# Altium PCB Module Board - OLD.PcbDoc (part 4 of 4)
Units mm, origin at the board's own origin, x right, y up, seen from the top; angles counter-clockwise.
Board outline 88 x 88 mm, 4 copper layers (Top Layer, GND1-Layer, GND2-Layer, Bottom Layer), stack 1.57 mm thick; 408 components, 212 nets, 1020 pads, 603 vias.
Unrouted connection lines stored in the file: 3.
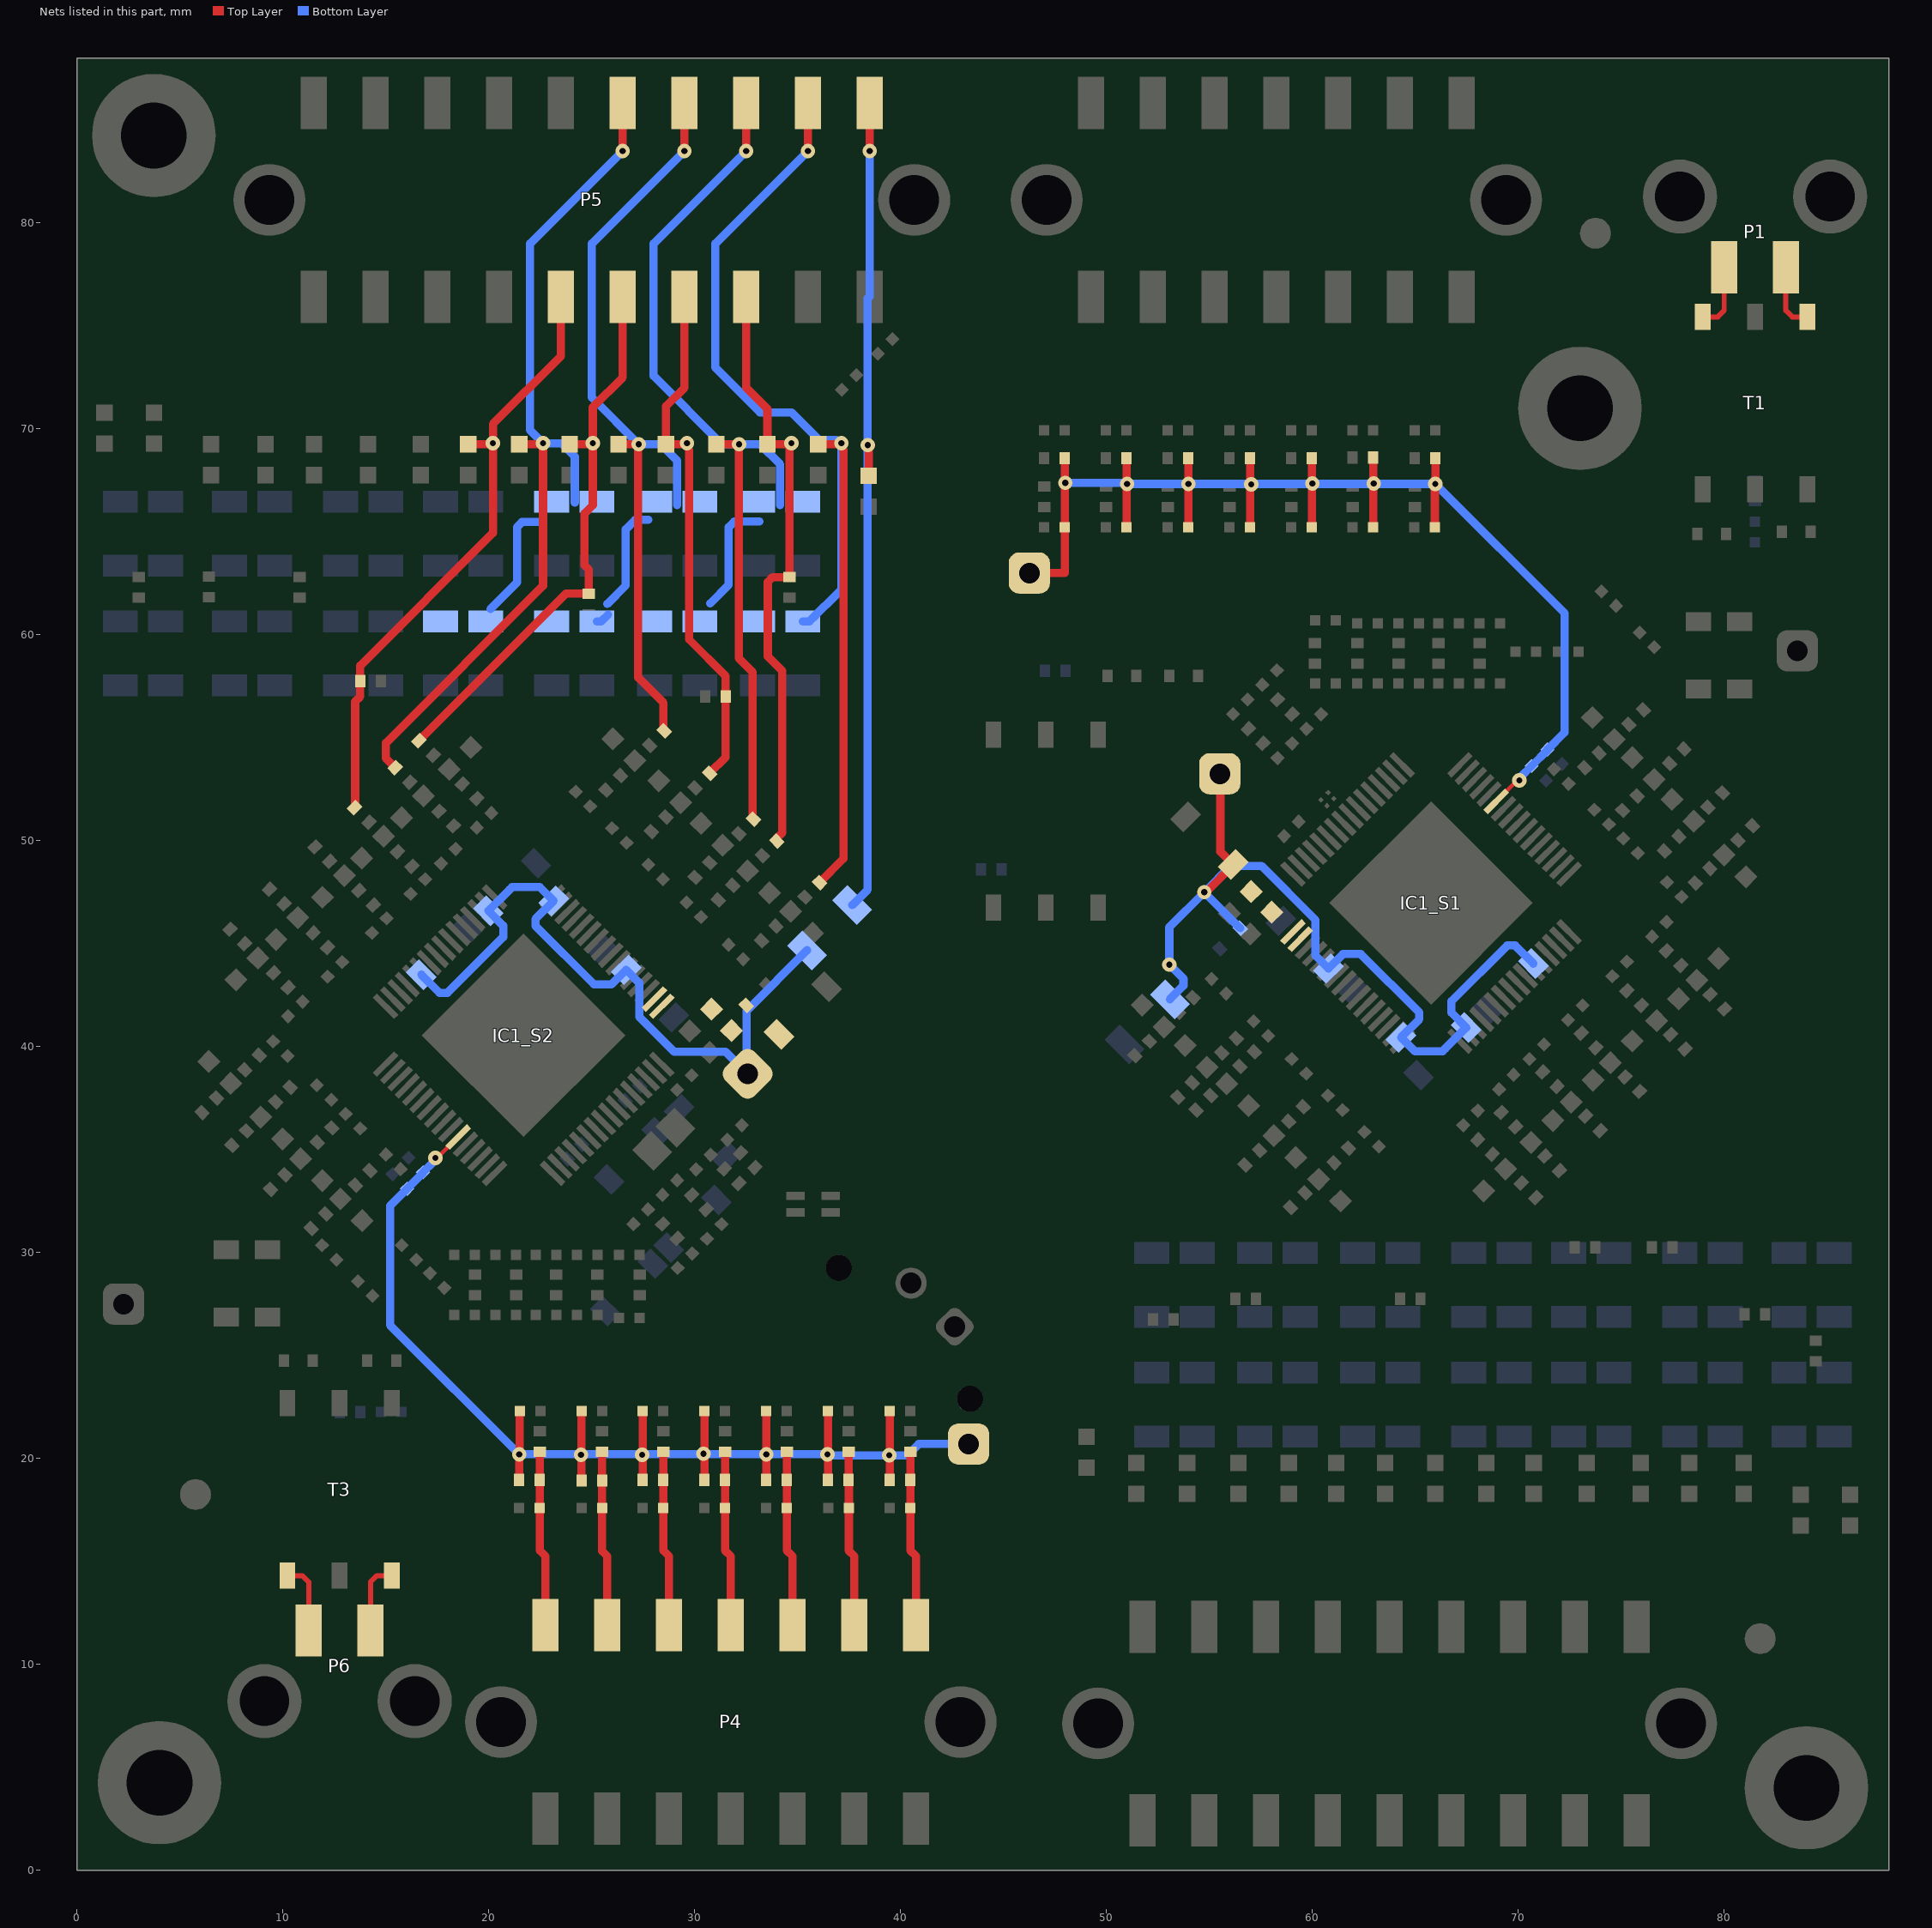
[diagram p6: the nets of this part, all layers, seen from the top]

## Via types
v1: diameter 0.7, hole 0.3, Top Layer to Bottom Layer, 603 vias

## Nets (pads, with @x,y where several pads share a name; then routed paths per layer and width w, separated by ;. In a path a pad name is that pad's centre, name@x,y a point inside that pad or via, vN(x,y) a via of type N, cw(c..) or ccw(c..) an arc to the next point about the centre after c; other vN are vias at no path point) (continued)
S2_CELL7: C43_S2.2 P5.15 R32_S2.2 R41_S2.2 | length 30.2
  Top Layer w0.4: R41_S2.2@13.471,51.604 13.507,51.639 13.507,56.757 13.75,57 13.75,58.5 20.2,64.95 v1(20.2,69.3) ; C43_S2.2@19,69.25 20.15,69.25 v1(20.2,69.3) ; P5.15@23.5,76.42 23.5,73.535 20.2,70.235 v1(20.2,69.3)
S2_CELL8: C37_S2.2 P5.6 R35_S2.2 R45_S2.1 R51_S2.1 R54_S2.1 R61_S2.1 | length 48.7
  Top Layer w0.4: R35_S2.2@15.45,53.55 15,54 15,54.75 22.632,62.382 v1(22.632,69.3) 22.582,69.25 C37_S2.2@21.475,69.25 ; v1(26.5,83.5) P5.6@26.5,85.82
  Bottom Layer w0.4: 20.075,61.25 21.375,62.55 21.375,65.241 21.609,65.475 22.45,65.475 ; 24.175,66.425 24.175,68.65 23.525,69.3 v1(22.632,69.3) 22.632,69.302 22,69.934 22,79 v1(26.5,83.5)
S2_CELL9: C33_S2.2 P5.16 R23_S2.2 R30_S2.2 | length 27.3
  Top Layer w0.4: R30_S2.2@16.596,54.854 23.743,62 R23_S2.2@24.85,62 24.85,63.173 24.65,63.373 24.65,65.895 25.05,66.295 v1@25.05,68.966 ; C33_S2.2@23.925,69.25 25,69.25 v1(25.05,69.3) 25.05,71.05 26.5,72.5 P5.16@26.5,76.42
S2_CELL10: C27_S2.2 P5.7 R24_S2.2 R29_S2.1 R34_S2.1 R39_S2.1 R43_S2.1 | length 45.2
  Top Layer w0.4: C27_S2.2@26.3,69.25 v1(27.275,69.25) 27.25,69.225 27.25,57.925 28.48,56.695 28.48,55.371 R24_S2.2@28.515,55.336 ; v1(29.5,83.5) P5.7@29.5,85.82
  Bottom Layer w0.4: R39_S2.1@25.25,60.652 25.463,60.652 R39_S2.1@25.788,60.977 ; 25.75,61.5 26.65,62.4 26.65,65.125 27.113,65.588 27.75,65.588 ; v1@27.2,69.25 v1(27.275,69.25) ; 29.15,66.305 29.15,68.45 28.35,69.25 v1(27.275,69.25) ; v1(29.5,83.5) 25,79 25,71.525 v1(27.275,69.25)
S2_CELL11: C22_S2.2 P5.17 R15_S2.2 R19_S2.2 | length 25.7
  Top Layer w0.4: P5.17@29.5,76.42 29.5,72 28.6,71.1 C22_S2.2@28.6,69.25 29.575,69.25 v1(29.625,69.3) 29.682,69.243 29.682,69.03 29.725,68.988 29.725,59.775 31.5,58 R15_S2.2@31.5,57 31.5,54.05 R19_S2.2@30.725,53.275
S2_CELL12: C14_S2.2 P5.8 R12_S2.1 R13_S2.2 R18_S2.1 R21_S2.1 R26_S2.1 | length 50.3
  Top Layer w0.4: C14_S2.2@31.05,69.25 v1(32.15,69.25) 32.15,58.85 32.815,58.185 32.815,51.085 R13_S2.2@32.85,51.05 ; v1(32.5,83.5) 32.5,84.55 P5.8@32.5,85.82
  Bottom Layer w0.4: 30.75,61.525 31.65,62.425 31.65,65.225 31.925,65.5 33.15,65.5 ; v1(32.5,83.5) 28,79 28,72.575 31.325,69.25 v1(32.15,69.25) 33.181,69.25 34.15,68.281 34.15,66.305
S2_CELL13: C8_S2.2 P5.18 R7_S2.2 R8_S2.2 | length 29.5
  Top Layer w0.4: P5.18@32.5,76.42 32.5,75.15 32.5,72 33.531,70.969 C8_S2.2@33.531,69.25 34.65,69.25 v1(34.7,69.3) 34.7,69.219 34.6,69.119 R7_S2.2@34.6,62.8 33.784,62.8 33.55,62.566 33.55,58.95 34.25,58.25 34.25,50.389 33.952,50.091 33.988,50.056 R8_S2.2@33.988,49.985
S2_CELL14: C2_S2.2 P5.9 R2_S2.2 R4_S2.1 R10_S2.1 | length 55.5
  Top Layer w0.4: v1(35.5,83.5) 35.5,84.55 P5.9@35.5,85.82 ; C2_S2.2@36,69.25 37.075,69.25 v1(37.125,69.3) 37.182,69.243 37.182,69.03 37.225,68.988 37.225,49.127 R2_S2.2@36.067,47.97
  Bottom Layer w0.4: v1(35.5,83.5) 31,79 31,72.975 33.175,70.8 34.695,70.8 36.045,69.45 v1@36.894,69.45 ; R4_S2.1@35.9,60.977 R4_S2.1@35.575,60.652 ; v1(37.125,69.3) 37.125,62.202 R4_S2.1@35.575,60.652 ; R4_S2.1@35.575,60.652 R4_S2.1@35.25,60.652 R4_S2.1@35.575,60.652
S2_NTC0: C5_S2.2 P4.14 R1_S2.2 R5_S2.2 | length 7.4
  Top Layer w0.4: R5_S2.2@22.475,20.325 22.475,19.25 R1_S2.2@22.475,18.95 C5_S2.2@22.475,17.6 22.475,15.525 22.75,15.25 P4.14@22.75,13.08
S2_NTC1: C17_S2.2 P4.13 R11_S2.2 R16_S2.2 | length 7.3
  Top Layer w0.4: R16_S2.2@25.5,20.325 R11_S2.2@25.5,18.925 C17_S2.2@25.5,17.6 25.5,16.46 25.5,15.5 25.75,15.25 P4.13@25.75,13.08
S2_NTC2: C30_S2.2 P4.12 R22_S2.2 R27_S2.2 | length 7.4
  Top Layer w0.4: R27_S2.2@28.475,20.325 28.475,20.075 R22_S2.2@28.475,18.95 C30_S2.2@28.475,17.6 28.475,15.525 28.75,15.25 P4.12@28.75,13.08
S2_NTC3: C40_S2.2 P4.11 R33_S2.2 R37_S2.2 | length 7.4
  Top Layer w0.4: R37_S2.2@31.475,20.325 R33_S2.2@31.475,18.95 31.475,18.65 C40_S2.2@31.475,17.6 31.475,15.525 31.75,15.25 P4.11@31.75,13.08
S2_NTC4: C50_S2.2 P4.10 R44_S2.2 R49_S2.2 | length 7.4
  Top Layer w0.4: R49_S2.2@34.475,20.325 R44_S2.2@34.475,18.95 34.475,18.65 C50_S2.2@34.475,17.6 34.475,15.525 34.75,15.25 P4.10@34.75,13.08
S2_NTC5: C60_S2.2 P4.9 R55_S2.2 R59_S2.2 | length 7.4
  Top Layer w0.4: R59_S2.2@37.475,20.325 37.475,19.25 R55_S2.2@37.475,18.95 37.475,18.65 37.488,18.637 C60_S2.2@37.488,17.6 37.488,15.512 37.75,15.25 P4.9@37.75,13.08
S2_NTC6: C70_S2.2 P4.8 R64_S2.2 R67_S2.2 | length 7.4
  Top Layer w0.4: R67_S2.2@40.475,20.325 R64_S2.2@40.475,18.95 40.475,18.65 40.475,15.525 40.75,15.25 P4.8@40.75,13.08
S2_VBAT: C78_S2.2 P5.10 R93_S2.1 | length 40.7
  Top Layer w0.4: v1@38.35,69.159 v1(38.4,69.209) 38.45,69.159 C78_S2.2@38.45,67.725 ; v1(38.5,83.5) 38.5,84.55 P5.10@38.5,85.82
  Bottom Layer w0.4: R93_S2.1@37.647,46.872 38.4,47.625 38.4,76.333 ; 38.5,76.433 v1(38.5,83.5)
TPL_IN_N: P1.2 T1.1 | length 3.3
  Top Layer w0.247: P1.2@83,77.855 83,75.75 83.31,75.44 T1.1@84.04,75.44
TPL_IN_P: P1.1 T1.3 | length 3.3
  Top Layer w0.247: T1.3@78.96,75.44 79.69,75.44 80,75.75 P1.1@80,77.855
TPL_OUT_N: P6.2 T3.1 | length 3.5
  Top Layer w0.247: T3.1@10.21,14.31 10.94,14.31 11.25,14 P6.2@11.25,11.645
TPL_OUT_P: P6.1 T3.3 | length 3.5
  Top Layer w0.247: P6.1@14.25,11.645 14.25,14 14.56,14.31 T3.3@15.29,14.31
VCOM_S1: C1_S1.2 C11_S1.2 C20_S1.2 C21_S1.2 C26_S1.2 C36_S1.2 C46_S1.2 C56_S1.2 C66_S1.2 IC1_S1.43 R1_S1.1 R11_S1.1 R22_S1.1 R33_S1.1 R44_S1.1 R55_S1.1 R64_S1.1 TP3_S1.1 | length 65
  Top Layer w0.2: IC1_S1.43@68.936,51.913 69.947,52.925 v1(70.05,52.925)
  Top Layer w0.4: TP3_S1.1@46.25,63 47.975,63 C66_S1.2@47.975,65.225 47.975,67.35 v1(48,67.375) 47.975,67.4 R64_S1.1@47.975,68.575 ; C56_S1.2@50.975,65.225 50.975,67.3 v1(51,67.325) 50.975,67.35 R55_S1.1@50.975,68.575 ; C46_S1.2@53.975,65.225 v1(53.975,67.325) R44_S1.1@53.975,68.575 ; C36_S1.2@56.975,65.225 56.975,67.25 v1(57.025,67.3) 56.975,67.35 R33_S1.1@56.975,68.575 ; C26_S1.2@59.975,65.225 59.975,67.325 v1(60,67.35) 59.975,67.375 R22_S1.1@59.975,68.575 ; C11_S1.2@62.95,65.225 62.95,67.325 v1(62.975,67.35) 62.95,67.375 R11_S1.1@62.95,68.6 ; C1_S1.2@65.95,65.225 65.95,67.3 v1(65.975,67.325) R1_S1.1@65.975,68.575
  Bottom Layer w0.4: v1(48,67.375) 50.95,67.375 v1(51,67.325) v1(53.975,67.325) 57,67.325 v1(57.025,67.3) 57.05,67.325 v1(65.975,67.325) 72.25,61.05 72.25,55.257 C20_S1.2@71.421,54.429 ; v1(70.05,52.925) 70.107,52.982 70.107,53.09 C21_S1.2@70.646,53.629 C20_S1.2@71.421,54.404
VCOM_S2: C1_S2.2 C11_S2.2 C20_S2.2 C21_S2.2 C26_S2.2 C36_S2.2 C46_S2.2 C56_S2.2 C66_S2.2 IC1_S2.43 R1_S2.1 R11_S2.1 R22_S2.1 R33_S2.1 R44_S2.1 R55_S2.1 R64_S2.1 TP3_S2.1 | length 65.1
  Top Layer w0.2: v1(17.4,34.6) 17.503,34.6 IC1_S2.43@18.514,35.612
  Top Layer w0.4: R1_S2.1@21.475,18.95 v1(21.475,20.2) ; v1(21.475,20.2) 21.5,20.225 C1_S2.2@21.5,22.3 ; R11_S2.1@24.5,18.925 24.5,20.15 v1(24.475,20.175) 24.5,20.2 C11_S2.2@24.5,22.3 ; R22_S2.1@27.475,18.95 27.475,20.15 v1(27.45,20.175) 27.475,20.2 C26_S2.2@27.475,22.3 ; R33_S2.1@30.475,18.95 30.475,20.175 v1(30.425,20.225) 30.475,20.275 C36_S2.2@30.475,22.3 ; R44_S2.1@33.475,18.95 v1(33.475,20.2) C46_S2.2@33.475,22.3 ; R55_S2.1@36.475,18.95 36.475,20.175 v1(36.45,20.2) 36.475,20.225 C56_S2.2@36.475,22.3 ; R64_S2.1@39.475,18.95 39.475,20.125 v1(39.45,20.15) 39.475,20.175 C66_S2.2@39.475,22.3
  Bottom Layer w0.4: C21_S2.2@16.803,33.871 15.2,32.268 15.2,26.475 v1(21.475,20.2) 30.4,20.2 v1(30.425,20.225) 30.45,20.2 v1(36.45,20.2) 36.5,20.15 40.325,20.15 40.875,20.7 TP3_S2.1@43.3,20.7 ; C21_S2.2@16.803,33.896 17.343,34.435 17.343,34.543 v1(17.4,34.6)
VPWR_S1: C12_S1.2 C13_S1.2 D1_S1.1 D2_S1.1 D3_S1.2 D4_S1.1 D5_S1.1 D6_S1.1 IC1_S1.1 IC1_S1.2 R93_S1.2 TP2_S1.1 | length 43.7
  Top Layer w0.4: v1(54.75,47.5) 54.831,47.5 56.156,48.825 D2_S1.1@56.156,48.844 55.53,49.47 55.53,53.22 TP2_S1.1@55.5,53.25
  Bottom Layer w0.4: R93_S1.2@53.077,42.301 53.74,42.963 53.74,43.295 v1(53.05,43.984) 53.05,45.8 v1(54.75,47.5) ; D3_S1.2@56.495,45.745 56.495,45.75 54.75,47.495 v1(54.75,47.5) ; D4_S1.1@70.731,44.031 69.85,44.912 69.462,44.912 66.75,42.2 66.75,41.65 D5_S1.1@67.475,40.925 66.45,39.9 66.325,39.775 64.975,39.775 D1_S1.1@64.306,40.444 65.19,41.328 65.19,41.66 62.35,44.5 61.487,44.5 D6_S1.1@60.781,43.794 60.144,44.431 60.144,46.156 57.525,48.775 56.025,48.775 v1(54.75,47.5)
VPWR_S2: C12_S2.2 C13_S2.2 D1_S2.1 D2_S2.1 D3_S2.2 D4_S2.1 D5_S2.1 D6_S2.1 IC1_S2.1 IC1_S2.2 R93_S2.2 TP2_S2.1 | length 34.4
  Bottom Layer w0.4: D4_S2.1@16.719,43.494 17.6,42.613 17.988,42.613 20.7,45.325 20.7,45.875 D5_S2.1@19.975,46.6 21,47.625 21.125,47.75 22.475,47.75 D1_S2.1@23.144,47.081 22.26,46.197 22.26,45.865 25.1,43.025 25.963,43.025 D6_S2.1@26.669,43.731 27.306,43.094 27.306,41.444 29.002,39.748 31.502,39.748 32.5,38.75 32.525,38.775 32.525,41.75 R93_S2.2@35.453,44.678
pads on no net: *1. *2. *3. *4. *5. *6. IC1_S1.40 IC1_S1.42 IC1_S1.61 IC1_S1.62 IC1_S2.40 IC1_S2.42 IC1_S2.61 IC1_S2.62 P1.MH1 P1.MH2 P2.MH1 P2.MH2 P3.MH1 P3.MH2 P4.MH1 P4.MH2 P5.MH1 P5.MH2 P6.MH1 P6.MH2 P7.MH1 P7.MH2 T1.2 T3.2

## Polygon pours and split planes (outlines as drawn)
S1_CELL12 on Bottom Layer "NONET_L01_P-001" (solid, pour order 196): 51.1,22.662 51.1,20.114 55.5,20.114 55.5,22.662
CB_13_S1 on Bottom Layer "NONET_L01_P-001" (solid, pour order 195): 55.5,22.566 55.5,25.5 51.1,25.114 51.1,22.566
S1_CELL10 on Bottom Layer "NONET_L01_P-001" (solid, pour order 194): 56.1,22.662 56.1,20.114 60.5,20.114 60.5,22.662
CB_11_S1 on Bottom Layer "NONET_L01_P-001" (solid, pour order 193): 60.5,22.566 60.5,25.75 56.1,25.114 56.1,22.566
S1_CELL8 on Bottom Layer "NONET_L01_P-001" (solid, pour order 192): 61.1,22.662 61.1,20.114 65.5,20.114 65.5,22.662
CB_9_S1 on Bottom Layer "NONET_L01_P-001" (solid, pour order 191): 65.5,22.566 65.5,25.5 61.1,25.114 61.1,22.566
S1_CELL6 on Bottom Layer "NONET_L01_P-001" (solid, pour order 190): 66.5,22.662 66.5,20.114 70.9,20.114 70.9,22.662
CB_7_S1 on Bottom Layer "NONET_L01_P-001" (solid, pour order 189): 70.9,22.566 70.745,25.514 66.5,25.114 66.5,22.566
S1_CELL4 on Bottom Layer "NONET_L01_P-001" (solid, pour order 188): 71.35,22.662 71.35,20.114 75.75,20.114 75.75,22.662
CB_5_S1 on Bottom Layer "NONET_L01_P-001" (solid, pour order 187): 75.75,22.566 75.75,25.5 71.35,25.114 71.35,22.566
S1_CELL2 on Bottom Layer "NONET_L01_P-001" (solid, pour order 186): 76.75,22.662 76.75,20.114 81.15,20.114 81.15,22.662
CB_3_S1 on Bottom Layer "NONET_L01_P-001" (solid, pour order 185): 81.15,22.566 81.25,25.5 76.75,25.114 76.75,22.566
CELL_REF_S1 on Bottom Layer "NONET_L01_P-001" (solid, pour order 184): 82.05,22.662 82.05,20.114 86.45,20.114 86.45,22.662
CB_1_S1 on Bottom Layer "NONET_L01_P-001" (solid, pour order 183): 86.45,22.566 86.45,25.114 82.05,25.114 82.05,22.566
S1_CELL2 on Bottom Layer "NONET_L01_P-001" (solid, pour order 182): 82.05,28.473 82,25.475 86.45,25.925 86.45,28.473
S1_CELL4 on Bottom Layer "NONET_L01_P-001" (solid, pour order 181): 76.75,28.473 76.857,25.73 81.15,25.925 81.15,28.473
S1_CELL6 on Bottom Layer "NONET_L01_P-001" (solid, pour order 180): 71.35,28.473 71.5,25.25 75.75,25.925 75.75,28.473
S1_CELL8 on Bottom Layer "NONET_L01_P-001" (solid, pour order 179): 66.5,28.473 66.5,25.75 70.9,25.925 70.9,28.473
S1_CELL10 on Bottom Layer "NONET_L01_P-001" (solid, pour order 178): 61.1,28.473 61.25,25.5 65.5,25.925 65.5,28.473
S1_CELL12 on Bottom Layer "NONET_L01_P-001" (solid, pour order 177): 56.1,28.473 56.25,25.75 60.5,25.925 60.5,28.473
S1_CELL14 on Bottom Layer "NONET_L01_P-001" (solid, pour order 176): 51.1,28.473 51.1,25.925 55.5,25.925 55.5,28.473
CB_14_S1 on Bottom Layer "NONET_L01_P-001" (solid, pour order 175): 55.5,28.377 55.5,30.925 51.1,30.925 51.1,28.377
CB_12_S1 on Bottom Layer "NONET_L01_P-001" (solid, pour order 174): 60.5,28.377 60.5,30.925 56.1,30.925 56.1,28.377
CB_10_S1 on Bottom Layer "NONET_L01_P-001" (solid, pour order 173): 65.5,28.377 65.5,30.925 61.1,30.925 61.1,28.377
CB_8_S1 on Bottom Layer "NONET_L01_P-001" (solid, pour order 172): 70.9,28.377 70.9,30.925 66.5,30.925 66.5,28.377
CB_4_S1 on Bottom Layer "NONET_L01_P-001" (solid, pour order 171): 81.15,28.377 81.15,30.925 76.75,30.925 76.75,28.377
CB_2_S1 on Bottom Layer "NONET_L01_P-001" (solid, pour order 170): 86.45,28.377 86.45,30.925 82.05,30.925 82.05,28.377
CB_6_S1 on Bottom Layer "NONET_L01_P-001" (solid, pour order 166): 75.75,28.377 75.75,30.925 71.35,30.925 71.35,28.377
CB_6_S2 on Bottom Layer "NONET_L01_P-001" (solid, pour order 29): 11.7,59.148 11.7,56.6 16.1,56.6 16.1,59.148
CB_2_S2 on Bottom Layer "NONET_L01_P-001" (solid, pour order 74): 1,59.148 1,56.6 5.4,56.6 5.4,59.148
CB_4_S2 on Bottom Layer "NONET_L01_P-001" (solid, pour order 77): 6.3,59.148 6.3,56.6 10.7,56.6 10.7,59.148
CB_8_S2 on Bottom Layer "NONET_L01_P-001" (solid, pour order 78): 16.55,59.148 16.55,56.6 20.95,56.6 20.95,59.148
CB_10_S2 on Bottom Layer "NONET_L01_P-001" (solid, pour order 79): 21.95,59.148 21.95,56.6 26.35,56.6 26.35,59.148
CB_12_S2 on Bottom Layer "NONET_L01_P-001" (solid, pour order 80): 26.95,59.148 26.95,56.6 31.35,56.6 31.35,59.148
CB_14_S2 on Bottom Layer "NONET_L01_P-001" (solid, pour order 81): 31.95,59.148 31.95,56.6 36.35,56.6 36.35,59.148
S2_CELL14 on Bottom Layer "NONET_L01_P-001" (solid, pour order 82): 36.35,59.052 36.35,61.6 31.95,61.6 31.95,59.052
S2_CELL12 on Bottom Layer "NONET_L01_P-001" (solid, pour order 84): 31.35,59.052 31.2,61.975 26.95,61.6 26.95,59.052
S2_CELL10 on Bottom Layer "NONET_L01_P-001" (solid, pour order 85): 26.35,59.052 26.25,61.75 21.95,61.6 21.95,59.052
S2_CELL8 on Bottom Layer "NONET_L01_P-001" (solid, pour order 86): 20.95,59.052 20.95,62 16.55,61.6 16.55,59.052
S2_CELL6 on Bottom Layer "NONET_L01_P-001" (solid, pour order 88): 16,59.148 15.75,62 11.7,61.6 11.7,59.148
S2_CELL4 on Bottom Layer "NONET_L01_P-001" (solid, pour order 89): 10.7,59.052 10.7,62 6.3,61.6 6.3,59.052
S2_CELL2 on Bottom Layer "NONET_L01_P-001" (solid, pour order 90): 5.4,59.052 5.5,62 1,61.6 1,59.052
CB_1_S2 on Bottom Layer "NONET_L01_P-001" (solid, pour order 91): 1,64.959 1,62.411 5.4,62.411 5.4,64.959
CELL_REF_S2 on Bottom Layer "NONET_L01_P-001" (solid, pour order 92): 5.4,64.863 5.4,67.411 1,67.411 1,64.863
CB_3_S2 on Bottom Layer "NONET_L01_P-001" (solid, pour order 93): 6.3,64.959 6.3,61.775 10.7,62.411 10.7,64.959
S2_CELL2 on Bottom Layer "NONET_L01_P-001" (solid, pour order 94): 10.7,64.863 10.7,67.411 6.3,67.411 6.3,64.863
CB_5_S2 on Bottom Layer "NONET_L01_P-001" (solid, pour order 95): 11.7,64.959 11.7,62.25 16.1,62.411 16.1,64.959
S2_CELL4 on Bottom Layer "NONET_L01_P-001" (solid, pour order 96): 16.1,64.863 16.1,67.411 11.7,67.411 11.7,64.863
CB_7_S2 on Bottom Layer "NONET_L01_P-001" (solid, pour order 97): 16.55,64.959 16.447,61.753 20.95,62.411 20.95,64.959
S2_CELL6 on Bottom Layer "NONET_L01_P-001" (solid, pour order 98): 20.95,64.863 20.95,67.411 16.55,67.411 16.55,64.863
CB_9_S2 on Bottom Layer "NONET_L01_P-001" (solid, pour order 99): 21.95,64.959 21.95,62 26.35,62.411 26.35,64.959
S2_CELL8 on Bottom Layer "NONET_L01_P-001" (solid, pour order 100): 26.35,64.863 26.35,67.411 21.95,67.411 21.95,64.863
CB_11_S2 on Bottom Layer "NONET_L01_P-001" (solid, pour order 101): 26.95,64.959 26.95,61.75 31.35,62.411 31.35,64.959
S2_CELL10 on Bottom Layer "NONET_L01_P-001" (solid, pour order 102): 31.35,64.863 31.35,67.411 26.95,67.411 26.95,64.863
CB_13_S2 on Bottom Layer "NONET_L01_P-001" (solid, pour order 103): 31.95,64.959 32,62 36.35,62.411 36.35,64.959
S2_CELL12 on Bottom Layer "NONET_L01_P-001" (solid, pour order 104): 36.35,64.863 36.35,67.411 31.95,67.411 31.95,64.863
GND_S1 on Bottom Layer "NONET_L01_P-001" (solid, remove dead copper, pour order 197): 88,88 88,0 41.5,0.025 41.5,88
GND_S2 on Bottom Layer "NONET_L01_P-001" (solid, remove dead copper, pour order 107): 52.2,0.032 52.2,88 0,88 0,22.4 0,-0.017
GND_S2 on Top Layer "NONET_L01_P-001" (solid, remove dead copper, pour order 198): 52.041,0.032 52.041,88 0,88 0,0.025 18.475,0.025 18.475,0
GND_S1 on Top Layer "NONET_L01_P-001" (solid, remove dead copper, pour order 199): 88,-0.067 88,88.45 35,88.45 35,-0.075 53.475,-0.075 53.475,-0.1
VPWR_S2 on Top Layer "NONET_L-01_P-001" (solid, remove dead copper, pour order 169): 32.235,43.208 35.565,39.878 34,38 32.43,39.57 29.5,42.5 29,42.25 28.273,42.977 28.707,43.411
VPWR_S1 on Top Layer "NONET_L-01_P-001" (solid, pour order 106): 60.75,46.25 60,45.5 59.242,44.742 55.439,48.546 56.75,49.75 57,49.75
GND_S2 on GND2-Layer (split plane): 41.75,57.55 41.75,50.075 42.375,49.45 49.7,49.45 50.7,48.45 50.7,45.675 45.025,40 45.025,0.51 17.8,0.51 17.8,20.675 0.51,20.675 0.51,87.49 41.75,87.49
GND_S1 on GND2-Layer (split plane): 69.45,67.3 87.49,67.3 87.49,0.51 47.425,0.51 47.425,39.425 52.475,44.475 52.475,51.15 51.075,52.55 43.825,52.55 43.55,52.825 43.55,56.35 44.7,57.5 44.7,87.49 69.45,87.49
GND_S2 on GND1-Layer (split plane): 41.75,57.55 41.75,50.075 42.375,49.45 49.7,49.45 50.7,48.45 50.7,45.675 45.025,40 45.025,0.51 17.8,0.51 17.8,20.675 0.51,20.675 0.51,87.49 41.75,87.49
GND_S1 on GND1-Layer (split plane): 69.45,67.3 87.49,67.3 87.49,0.51 47.425,0.51 47.425,39.425 52.475,44.475 52.475,51.15 51.075,52.55 43.825,52.55 43.55,52.825 43.55,56.35 44.7,57.5 44.7,87.49 69.45,87.49

## Keep-outs
Keep-Out Layer:
  the board outline again, w0.7

## Other copper
Top Layer:
  pour cut-out: 45,0.51 45,39.975 50.7,45.675 50.7,48.45 49.7,49.45 42.375,49.45 41.75,50.075 41.8,73.15 42.61,74.191 42.61,87.5 45.333,87.5 45.285,73.944 44.7,73.15 44.7,57.625 43.55,56.475 43.55,52.825 43.825,52.55 51.075,52.55 52.475,51.15 52.475,44.475 48,40 48,0.51
  pour cut-out: 87.75,88 71.31,88 71.31,74.75 69.44,74.75 69.44,67.5 87.75,67.5
  pour cut-out: 0.25,0 18.5,0 18.5,20.7 0.25,20.7
Bottom Layer:
  pour cut-out: 87.745,88 71.355,88 71.355,74.75 69.435,74.75 69.445,67.5 87.745,67.5
  pour cut-out: 0.255,0 18.5,0 18.5,20.7 0.255,20.7
  pour cut-out: 45,0.51 45,39.975 50.7,45.675 50.7,48.45 49.7,49.45 42.375,49.45 41.75,50.075 41.8,73.15 42.61,74.191 42.61,87.5 45.25,87.5 45.25,73.907 44.7,73.15 44.7,57.5 43.55,56.35 43.55,52.825 43.825,52.55 51.075,52.55 52.475,51.15 52.475,44.475 48,40 48,0.51
GND1-Layer (plane layer: these items are gaps in the copper):
  pour cut-out: 45.025,0.51 45.025,40 50.7,45.675 50.7,48.45 49.7,49.45 42.375,49.45 41.75,50.075 41.75,57.55 41.75,87.5 44.7,87.5 44.7,57.5 43.55,56.35 43.55,52.825 43.825,52.55 51.075,52.55 52.475,51.15 52.475,44.475 47.425,39.425 47.425,0.51
  pour cut-out: 0,-0.017 17.783,-0.017 17.8,0 17.8,20.675 0,20.675
  pour cut-out: 87.5,88 69.45,88 69.45,67.3 87.5,67.3
  lines w0.254: 45,40.45 45,40.45
GND2-Layer (plane layer: these items are gaps in the copper):
  pour cut-out: 87.5,88 69.45,88 69.45,67.3 87.5,67.3
  pour cut-out: 45.025,0.51 45.025,40 50.7,45.675 50.7,48.45 49.7,49.45 42.375,49.45 41.75,50.075 41.75,57.55 41.75,87.5 44.7,87.5 44.7,57.5 43.55,56.35 43.55,52.825 43.825,52.55 51.075,52.55 52.475,51.15 52.475,44.475 47.425,39.425 47.425,0.51
  pour cut-out: 0,0 17.783,0 17.8,0.017 17.8,20.675 0,20.675

## Silkscreen, mask and mechanical layers (free items; w line width, h text height)
Top Overlay:
  lines w0.4: 44,87.25 44,75 44,74 43.25,73.25 43.25,51.234 43.484,51 51,51 51.25,50.75 51.75,50.25 51.75,45 46.75,40 46.5,39.5 46.5,0.75
  text "TPL / IN" at 71.805,83.202 h2.5
  text "CURRENT SENSE" at 16.705,72.252 h1.7
  text "NTC" at 54.305,71.603 h2.5
  text "CELL TERMINALS" at 12.986,70.103 h2.5
  text "VCOM" at 48.751,62.767 h1.5
  text "GND" at 82.1,60.617 h1.5
  text "Mistakes are not in our budget" at 1,60.189 h1
  text "SLAVE 1" at 47.25,58.85 h2.7
  text "SLAVE 2" at 30.75,58.1 h2.7
  text "VPWR" at 51.751,54.75 h1.5
  text "VPWR" at 34.751,38.25 h1.5
  text "TPL / MID" at 39.759,32.853 h2.5
  text "GND" at 1.25,24.767 h1.5
  text "CELL TERMINALS" at 55.311,21.257 h2.5
  text "VCOM" at 41.101,17.917 h1.5
  text "NTC" at 28.278,14.126 h2.5
  text "TPL / OUT" at 1.134,8.625 h2.5
Bottom Overlay:
  drawing of 165 lines, arcs and shapes, not listed
  text "GND" at 68.753,86.95 h2 r90
  text "GND" at 65.703,86.925 h2 r90
  text "GND" at 62.653,86.9 h2 r90
  text "GND" at 59.578,86.875 h2 r90
  text "GND" at 56.703,86.775 h2 r90
  text "GND" at 53.653,86.75 h2 r90
  text "GND" at 50.778,86.6 h2 r90
  text "N.C." at 38.422,82.925 h2 r270
  text "GND" at 11.772,82.25 h2 r270
  text "REF" at 14.75,82.25 h2 r270
  text "CELL 2" at 17.522,81 h2 r270
  text "CELL 4" at 20.522,80.75 h2 r270
  text "CELL 6" at 23.522,80.75 h2 r270
  text "CELL 8" at 26.522,80.75 h2 r270
  text "CELL 10" at 29.272,80.25 h2 r270
  text "CELL 12" at 32.272,80.25 h2 r270
  text "CELL 14" at 35.522,80.25 h2 r270
  text "NTC0" at 68.678,78.7 h2 r90
  text "NTC3" at 59.528,78.675 h2 r90
  text "NTC5" at 53.828,78.6 h2 r90
  text "NTC1" at 65.503,78.6 h2 r90
  text "NTC2" at 62.653,78.525 h2 r90
  text "NTC6" at 50.528,78.45 h2 r90
  text "NTC4" at 56.653,78.4 h2 r90
  text "TPL +" at 80.75,78.25 h2 r90
  text "TPL -" at 83.75,78.25 h2 r90
  text "VBAT" at 32.35,73.927 h2 r270
  text "CELL 1" at 11.397,73.5 h2 r270
  text "CELL 7" at 20.597,73.5 h2 r270
  text "CELL 9" at 23.447,73.45 h2 r270
  text "CELL 5" at 17.472,73.25 h2 r270
  text "CELL 3" at 14.497,73.025 h2 r270
  text "Isense -" at 35.52,72.5 h2 r270
  text "Isense +" at 38.52,72.5 h2 r270
  text "CELL 11" at 26.447,72.4 h2 r270
  text "CELL 13" at 29.497,72.275 h2 r270
  text "Year" at 61.551,63.593 h2
  text "BMS Module Board" at 78.083,63.54 h2
  text "Rev." at 56.008,63.488 h2
  text "V1.0" at 56.156,60.34 h2
  text "2024" at 61.609,60.29 h2
  text "Bram Bremer / Arjan Blankestijn" at 77.745,59.293 h2
  text "V2.0" at 56.157,57.244 h2
  text "2025" at 61.659,57.265 h2
  text "Alex van Buuren" at 77.695,57.243 h2
  text "CELL 13" at 58.148,16.83 h2 r90
  text "CELL 11" at 61.148,16.755 h2 r90
  text "VBAT" at 55.07,16.028 h2 r90
  text "CELL 9" at 64.048,16.03 h2 r90
  text "CELL 7" at 67.048,16.03 h2 r90
  text "CELL 5" at 70.048,16.03 h2 r90
  text "CELL 3" at 73.048,16.03 h2 r90
  text "CELL 1" at 76.048,16.03 h2 r90
  text "N.C." at 52.023,15.255 h2 r90
  text "TPL -" at 10.75,11.75 h2 r270
  text "TPL +" at 13.75,11.5 h2 r270
  text "NTC0" at 22.272,10 h2 r270
  text "NTC1" at 25.272,10 h2 r270
  text "NTC2" at 28.272,10 h2 r270
  text "NTC3" at 31.272,10 h2 r270
  text "NTC4" at 34.272,10 h2 r270
  text "NTC5" at 37.272,10 h2 r270
  text "NTC6" at 40.022,10 h2 r270
  text "CELL 14" at 55.148,9.13 h2 r90
  text "CELL 12" at 58.148,9.13 h2 r90
  text "CELL 10" at 61.148,9.13 h2 r90
  text "CELL 8" at 64.048,9.13 h2 r90
  text "CELL 6" at 67.048,9.13 h2 r90
  text "CELL 4" at 69.973,9.13 h2 r90
  text "CELL 2" at 72.973,9.13 h2 r90
  text "REF" at 76,6.25 h2 r90
  text "N.C." at 52.228,5.25 h2 r90
  text "GND" at 22.022,2.5 h2 r270
  text "GND" at 25.022,2.5 h2 r270
  text "GND" at 28.022,2.5 h2 r270
  text "GND" at 31.022,2.5 h2 r270
  text "GND" at 34.022,2.5 h2 r270
  text "GND" at 37.022,2.5 h2 r270
  text "GND" at 40.022,2.5 h2 r270
Mechanical 1:
  lines w0.254: 0,0 0,87
Layer stack up:
  drawing of 450 lines, arcs and shapes, not listed
  text "Layer" at 92.778,85.714 h1.52
  text "Name" at 103.19,85.714 h1.52
  text "Material" at 126.805,85.714 h1.52
  text "Thickness" at 148.643,85.714 h1.52
  text "Constant" at 165.149,85.714 h1.52
  text "Board Layer Stack" at 179.624,85.714 h1.52
  text "Top Overlay" at 103.19,82.666 h1.52
  text "Top Solder" at 103.19,79.618 h1.52
  text "Solder Resist" at 126.805,79.618 h1.52
  text "0,010mm" at 148.643,79.618 h1.52
  text "3.5" at 165.149,79.618 h1.52
  text "1" at 92.778,76.57 h1.52
  text "Top Layer" at 103.19,76.57 h1.52
  text "0,035mm" at 148.643,76.57 h1.52
  text "Dielectric1" at 103.19,73.522 h1.52
  text "FR-4" at 126.805,73.522 h1.52
  text "0,360mm" at 148.643,73.522 h1.52
  text "4.8" at 165.149,73.522 h1.52
  text "2" at 92.778,70.474 h1.52
  text "GND1-Layer" at 103.19,70.474 h1.52
  text "0,035mm" at 148.643,70.474 h1.52
  text "Dielectric2" at 103.19,67.426 h1.52
  text "FR-4" at 126.805,67.426 h1.52
  text "0,710mm" at 148.643,67.426 h1.52
  text "4.8" at 165.149,67.426 h1.52
  text "3" at 92.778,64.378 h1.52
  text "GND2-Layer" at 103.19,64.378 h1.52
  text "0,035mm" at 148.643,64.378 h1.52
  text "Dielectric3" at 103.19,61.33 h1.52
  text "FR-4" at 126.805,61.33 h1.52
  text "0,360mm" at 148.643,61.33 h1.52
  text "4.8" at 165.149,61.33 h1.52
  text "4" at 92.778,58.282 h1.52
  text "Bottom Layer" at 103.19,58.282 h1.52
  text "0,035mm" at 148.643,58.282 h1.52
  text "Bottom Solder" at 103.19,55.234 h1.52
  text "Solder Resist" at 126.805,55.234 h1.52
  text "0,010mm" at 148.643,55.234 h1.52
  text "3.5" at 165.149,55.234 h1.52
  text "Bottom Overlay" at 103.19,52.186 h1.52
  text "Total board thickness:" at 92.778,49.138 h1.52
  text "1,590mm" at 148.643,49.138 h1.52